# KiCad board st251_20629.kicad_pcb (continued)
## Routing (per net, layer and track width the routed paths; a pad name or vN(x,y) marks a point on that pad's centre or on a via; arc(x,y) is an arc through that point) (continued)
~{INDEX_SYNC}: length 98.9
  Top w0.254: v1(48.13,30.35) 49.66,30.35 56.58,37.27 57.09,37.27 ; 57.09,37.27 57.15,37.21 v1(57.15,37.08) ; 57.09,37.27 57.53,37.72 69.72,37.72 70.74,38.74 70.74,40.89 73.03,43.18 84.07,43.18 84.96,42.29 88.26,42.29 88.77,42.8 v1(92.33,42.8) ; v1(42.8,29.21) 42.54,29.46 35.94,29.46 35.67,29.2 31.86,29.2 31.11,28.45 31.11,25.27 ; v1(94.87,34.8) 94.87,34.67 96.01,33.53 2F1.4 ; 2D1.10 58.55,26.92 57.66,26.04 v1(56.51,26.04)
  Bottom w0.254: v1(94.87,34.8) 94.74,34.93 94.74,40.39 v1(92.33,42.8) ; v1(57.15,37.08) 56.9,36.83 56.9,26.92 56.51,26.54 v1(56.51,26.04) ; v1(48.13,30.35) 46.99,29.21 v1(42.8,29.21)
~{RESET}: length 235.6
  Top w0.254: v1(21.21,24.13) 24.77,20.57 33.27,20.57 34.29,21.59 41.91,21.59 42.8,22.48 45.85,22.48 49.02,25.65 v1(51.05,25.65) ; v1(20.32,52.96) 20.32,50.93 19.56,50.17 13.08,50.17 11.81,51.44 11.81,52.83 11.3,53.34 3A1.21 ; v1(79.38,141.48) 80.01,142.11 80.01,145.8 80.52,146.3 8F1.5 ; 2B1.35 28.57,32 27.94,32.64 23.88,32.64 21.97,34.54 v1(20.45,34.54) ; 6C1.1 v1(61.6,117.86) 60.58,116.84 55.12,116.84 53.21,114.94 v1(49.78,114.94)
  Bottom w0.254: v1(79.38,141.48) 76.07,141.48 61.85,127.25 61.85,118.75 61.6,118.49 v1(61.6,117.86) ; v1(21.21,24.13) 20.45,24.89 v1(20.45,34.54) 20.45,52.83 v1(20.32,52.96) ; v1(49.78,114.94) 50.29,114.43 50.29,105.16 52.2,103.25 52.2,82.17 50.67,80.65 50.67,63.5 52.2,61.98 52.2,44.58 54.1,42.67 54.1,41.02 53.1,40.02 53.1,27.7 v1(51.05,25.65)
~{STEP}: length 122.5
  Top w0.254: v1(58.6,40.87) 58.37,40.64 47.75,40.64 v1(47.12,41.28) ; 2B1.33 34.54,34.54 35.18,33.91 v1(40.26,33.91) ; v1(64.64,49.66) v1(69.47,49.66)
  Bottom w0.254: v1(69.47,49.66) 78.23,40.89 78.23,37.72 83.06,32.89 83.06,26.29 82.42,25.65 79.88,25.65 79.5,25.27 79.5,19.05 79.88,18.67 79.88,15.24 80.9,14.22 80.9,12.7 78.61,10.41 77.72,10.41 75.44,8.13 J1.24 ; v1(40.26,33.91) 41.53,32.64 44.32,32.64 47.12,35.43 v1(47.12,41.28) ; v1(58.6,40.87) 58.76,41.04 58.76,54.19 60.45,55.88 60.45,53.98 64.64,49.78 v1(64.64,49.66)
~{WRT_FAULT}: length 58.5
  Top w0.254: 1E1.4 74.42,24.13 v1(74.17,24.38) ; v1(68.07,35.18) 66.8,36.45 60.32,36.45 59.05,35.18 56.51,35.18 50.16,28.83 48.77,28.83 47.88,27.94 47.88,26.29 45.34,23.75 41.53,23.75 v1(41.02,23.24) 40,24.26 2B1.3
  Bottom w0.254: R19.1 74.8,19.37 74.8,23.75 v1(74.17,24.38) 69.34,29.21 69.34,33.91 v1(68.07,35.18)
Net-(1D1-Pad12): length 41.8
  Top w0.254: 73.15,21.39 1E1.5 73.15,22.99 72.64,23.5 v1(72.64,24) ; v1(73.15,18.54) 74.04,18.54 74.42,18.16 1E1.11 ; 1D1.12 63.75,17.78 62.48,19.05 v1(62.36,19.05)
  Bottom w0.254: v1(62.36,19.05) 61.98,18.67 61.47,18.67 60.71,17.91 59.82,17.91 59.18,17.27 59.18,14.48 59.94,13.72 63.37,13.72 65.15,11.94 67.06,11.94 67.82,12.7 67.82,14.48 70.48,17.15 70.48,18.92 71.13,19.57 72.12,19.57 v1(73.15,18.54) 73.66,19.05 73.66,22.48 72.64,23.5 v1(72.64,24)
Net-(1E1-Pad1): length 11.5
  Top w0.254: 78.23,20.32 77.85,20.32 75.69,18.16 1E1.12 ; 78.23,20.32 1E1.1 ; 78.23,20.32 v1(80.52,20.32)
  Bottom w0.254: R59.1 81.66,22.16 81.66,21.08 80.9,20.32 v1(80.52,20.32)
Net-(1E1-Pad6): length 207.8
  Top w0.254: v1(67.18,42.42) 67.56,42.42 70.99,45.85 93.85,45.85 94.62,46.61 94.62,53.09 v1(94.11,53.59) ; v1(84.33,146.43) 84.46,146.3 87.5,146.3 87.76,146.05 89.28,146.05 89.53,146.3 89.53,147.57 89.03,148.08 89.03,155.83 88.26,156.59 85.47,156.59 84.33,157.73 84.33,165.1 R78.2 ; v1(68.96,25.15) 70.36,23.75 71.37,23.75 71.88,23.24 1E1.6
  Bottom w0.254: v1(84.33,146.43) 84.33,145.92 83.95,145.54 83.95,143.13 82.68,141.86 82.68,134.37 77.22,128.91 77.22,116.84 69.98,109.6 69.98,103.63 65.53,99.19 65.53,94.87 66.04,94.36 76.2,94.36 84.46,86.11 84.46,76.58 87.38,73.66 87.38,59.82 93.6,53.59 v1(94.11,53.59) ; v1(67.18,42.42) 67.18,38.23 66.17,37.21 66.17,34.54 67.82,32.89 67.82,26.29 v1(68.96,25.15)
Net-(1F1B-C): length 102.6
  Top w0.254: v1(95.88,18.67) 96.01,18.54 1F1.11 ; v1(84.84,47.88) 69.09,47.88 64.64,43.43 59.44,43.43 58.55,44.32 v1(55.12,44.32)
  Bottom w0.254: J7.11 50.93,19.56 50.93,24 51.94,25.02 52.83,25.02 53.59,25.78 53.59,39.24 55.12,40.77 v1(55.12,44.32) ; R70.1 94.68,16.96 95.88,18.16 v1(95.88,18.67) 95.88,25.27 94.74,26.42 92.07,26.42 89.03,29.46 89.03,38.99 87.76,40.26 87.76,42.16 86.74,43.18 86.74,45.85 84.84,47.75 v1(84.84,47.88)
Net-(1F1B-D): length 9
  Top w0.254: v1(97.54,18.54) 97.28,18.29 1F1.12
  Bottom w0.254: R71.1 94.68,13.65 96.65,15.62 96.65,17.65 v1(97.54,18.54)
Net-(1F1B-~{Q}): length 43.7
  Top w0.254: v1(85.98,40.77) 85.72,40.77 83.95,42.55 74.17,42.55 JP1.3 ; 1F1.8 v1(92.2,18.42)
  Bottom w0.254: v1(92.2,18.42) 89.41,18.42 88.52,19.3 88.52,26.29 87.5,27.31 87.5,37.34 85.98,38.86 v1(85.98,40.77)
Net-(1F1B-~{R}): length 35.3
  Top w0.254: v1(90.3,30.73) 89.66,30.1 80.14,30.1 79.05,29.02 76.45,29.02 75.82,28.38 2E1.12 ; v1(98.81,18.8) 98.55,18.54 1F1.13
  Bottom w0.254: v1(98.81,18.8) 96.65,20.96 96.65,25.27 94.74,27.18 91.96,27.18 90.3,28.84 v1(90.3,30.73)
Net-(1F1B-~{S}): length 39.6
  Top w0.254: v1(80.39,24.38) 79.25,24.38 78.36,23.5 77.34,23.5 76.96,23.11 76.96,20.57 76.45,20.07 72.77,20.07 v1(72.64,20.19) ; 1F1.10 94.74,15.75 94.49,15.49 83.57,15.49 v1(83.31,15.24)
  Bottom w0.254: v1(72.64,20.19) 72.26,20.19 70.61,21.84 69.92,21.84 R58.1 ; v1(80.39,24.38) 82.04,24.38 83.44,22.99 83.44,15.37 v1(83.31,15.24)
Net-(2B1-BIAS): length 3.9
  Top w0.254: 2B1.2 38.73,23.12 v1(38.73,23.11)
  Bottom w0.254: v1(38.73,23.11) 39.31,22.54 R45.2
Net-(2E1-Pad2): length 10.2
  Top w0.254: 2E1.2 v1(77.09,34.54)
  Top w0.508: 2E1.3 2E1.2
  Bottom w0.254: R12.1 75.25,29.14 76.71,30.61 76.71,34.16 v1(77.09,34.54)
Net-(2E1-Pad5): length 125.8
  Top w0.254: 2E1.5 v1(73.28,30.99) ; v1(28.19,90.42) 32,94.23 42.42,94.23 44.45,96.27 v1(46.1,96.27) ; v1(44.7,57.4) 47.5,54.61 v1(61.72,54.61)
  Bottom w0.254: C5.1 24.32,103.89 R8.1 24.7,103.19 27.81,100.08 27.81,91.31 28.19,90.93 v1(28.19,90.42) ; v1(46.1,96.27) 44.58,94.74 44.58,57.4 v1(44.7,57.4) ; v1(61.72,54.61) 61.72,54.23 66.17,49.78 66.17,49.15 73.28,42.04 v1(73.28,30.99)
Net-(2F1A-C): length 9.3
  Top w0.254: 2F1.3 97.28,31.24 96.65,30.61 92.96,30.61 92.2,29.84 2F1.8
Net-(2F1B-C): length 219
  Top w0.254: 124.02,167 122.68,167 122.05,166.37 122.05,164.85 120.9,163.7 120.9,162.56 120.4,162.05 120.4,161.42 119.89,160.91 119.76,160.91 118.11,159.26 116.71,159.26 113.92,156.46 113.92,154.56 111.89,152.53 v1(110.87,152.53) ; v1(95.12,29.34) 96.01,28.45 2F1.11 96.01,26.92 95.38,26.29 90.81,26.29 v1(90.42,26.67) ; v1(85.85,89.54) 84.07,91.31 84.07,98.81 82.68,100.2 82.68,103.38 78.23,107.82 78.23,112.78 79.63,114.17 79.63,115.57 80.65,116.59 80.65,117.98 81.03,118.36 81.03,123.67 79.25,125.45 79.25,132.33 78.61,132.97 78.61,138.68 77.22,140.08 77.22,143.26 78.23,144.27 78.23,152.02 80.01,153.8 v1(85.09,153.8) ; v1(85.22,50.93) 90.93,50.93 92.46,52.45 92.46,54.61 v1(93.34,55.5)
  Bottom w0.254: v1(93.34,55.5) 88.26,60.58 88.26,74.04 85.85,76.45 v1(85.85,89.54) ; v1(85.09,153.8) 87.63,151.26 109.6,151.26 v1(110.87,152.53) ; v1(90.42,26.67) 90.12,26.67 88.98,25.53 88.98,22.15 90.23,20.89 R15.1 ; v1(85.22,50.93) 86.36,49.78 86.36,47.62 87.38,46.61 87.38,45.34 89.03,43.69 89.03,41.53 90.68,39.88 90.68,33.53 92.33,31.88 92.33,28.83 92.71,28.45 94.23,28.45 v1(95.12,29.34)
Net-(2F1B-~{R}): length 7.8
  Top w0.254: 2F1.13 98.55,26.29 97.41,25.15 v1(94.87,25.15)
  Bottom w0.254: v1(94.87,25.15) 93.92,25.15 R42.1
Net-(2F1B-~{S}): length 196.7
  Top w0.254: R14.1 103.19,117.28 v1(103.63,116.84) ; v1(102.36,101.35) 102.36,98.04 97.54,93.22 v1(97.54,89.92) ; v1(96.65,54.23) 96.01,54.86 93.98,54.86 93.22,54.1 93.22,52.2 94.11,51.31 94.11,47.12 93.73,46.74 v1(89.03,46.74) ; v1(93.34,29.34) 93.85,29.34 94.74,28.45 2F1.10 ; 10J1.1 124.02,170.37 v1(123.95,170.43) ; v1(117.6,141.35) 117.6,137.03 117.09,136.53 112.27,132.08 111.71,131.52 arc(110.22,130.53) v1(108.46,130.18)
  Bottom w0.254: v1(97.54,89.92) 96.01,88.39 96.01,82.8 97.41,81.41 97.41,74.8 95.12,72.52 95.12,56.64 96.65,55.12 v1(96.65,54.23) ; v1(117.6,141.35) 117.47,141.48 117.47,148.08 118.49,149.1 119.62,149.1 122.43,151.9 122.43,168.02 123.95,169.55 v1(123.95,170.43) ; v1(93.34,29.34) 93.34,32.39 92.58,33.15 92.58,40.01 90.3,42.29 90.3,45.09 89.03,46.36 v1(89.03,46.74) ; 104.01,110.36 104.01,110.24 107.7,110.24 108.2,110.74 108.2,114.17 107.95,114.43 107.95,115.95 108.46,116.46 113.79,116.46 115.06,117.73 115.06,125.86 113.28,127.64 113.28,130.3 112.78,130.81 109.09,130.81 v1(108.46,130.18) ; 104.01,110.36 104.01,107.06 102.36,105.41 v1(102.36,101.35) ; 104.01,110.36 104.01,111.89 103.25,112.65 103.25,115.95 103.63,116.33 v1(103.63,116.84)
Net-(3A1-PB4): length 16.8
  Top w0.254: v1(19.05,44.96) 20.45,44.96 21.21,44.2 3A1.37
  Bottom w0.254: TP7.1 v1(19.05,44.96)
Net-(3A1-PB7): length 13.2
  Top w0.254: 3A1.34 v1(17.4,44.96)
  Bottom w0.254: v1(17.4,44.96) 17.4,33.91
Net-(3A1-XTLI): length 10.9
  Top w0.254: Y2.1 31.46,54.01 30.48,54.99 30.48,56.19 30.48,54.74 29.08,53.34 3A1.3
Net-(3A1-XTLO): length 28.2
  Top w0.254: 3A1.2 27.3,52.07 v1(27.56,51.82) ; Y2.2 31.35,49.13 30.48,48.26 30.48,47.69 30.48,48.9 ; Y2.2 33.13,48.64 35.63,48.64 C31.2 ; Y2.2 32.4,48.9 28.57,48.9 v1(27.43,47.75) ; 30.8,47.62 Y1.2
  Bottom w0.254: 32.51,49.01 Y2.2 ; v1(27.56,51.82) 27.43,51.69 v1(27.43,47.75) 31.05,47.75 R82.2 R80.1
Net-(3A1-~{NMI}): length 10.6
  Top w0.254: 3A1.25 11.05,48.26 v1(11.81,47.5)
  Bottom w0.254: R44.2 7.11,44.7 9.91,47.5 v1(11.81,47.5)
Net-(4A1-~{G}VPP): length 106.5
  Top w0.254: 25.65,85.34 27.05,85.34 28.45,83.95 28.45,82.42 29.08,81.79 31.24,81.79 34.8,85.34 49.78,85.34 50.42,84.71 v1(50.42,84.07) ; v1(52.45,42.16) 52.71,42.16 53.47,42.93 57.53,42.93 58.29,42.16 59.31,42.16 60.71,40.77 67.94,40.77 v1(68.33,41.15) ; 2E1.8 69.98,27.69 69.85,27.56 v1(69.09,27.56)
  Bottom w0.254: v1(68.33,41.15) 68.33,37.72 67.06,36.45 67.06,34.54 68.71,32.89 68.71,27.94 v1(69.09,27.56) ; v1(52.45,42.16) 51.05,43.56 51.05,61.59 50.04,62.61 50.04,83.69 v1(50.42,84.07)
Net-(4H1-12V): length 42.5
  Top w0.254: C44.1 114.74,115.13 113.03,116.84 111.25,116.84 110.24,117.86 110.24,122.17 114.55,126.49 114.55,129.41 117.22,132.08 117.47,132.08 118.11,132.72 120.27,132.72 120.9,133.35 CR3.1
  Top w0.508: C44.1 114.05,112.84 114.05,109.6 113.16,108.71 113.16,103.63 115.34,101.45 4H1.1
Net-(4H1-CFB): length 71.8
  Top w0.254: v1(114.17,104.39) 114.55,104.39 116.25,106.09 C17.2
  Bottom w0.254: 4H1.12 110.74,89.43 110.74,92.58 109.35,93.98 109.35,100.46 107.44,102.36 107.44,103.89 ; v1(114.17,104.39) 113.66,103.89 107.44,103.89 ; 107.44,103.89 107.44,106.81 108.08,107.44 118.36,107.44 120.01,109.09 127.13,109.09 128.14,110.11 128.14,118.11 128.97,118.94 R17.2 131.44,122.11 R16.1
  Bottom w1.016: 4H1.12 4H1.11
Net-(4H1-COMP): length 24.3
  Top w0.254: R18.2 111.25,111.82 111.25,108.59 111.62,108.22 111.62,105.14 v1(109.09,102.62)
  Bottom w0.254: 4H1.7 111.51,93.73 110.11,95.12 110.11,101.6 v1(109.09,102.62)
Net-(4H1-SN): length 15.3
  Top w0.254: v1(116.46,104.14) 119.51,107.19 C28.1
  Bottom w0.254: v1(116.46,104.14) 117.09,103.51 117.09,100.46 116.71,100.08 114.81,100.08 114.17,99.44 114.17,97.54 115.34,96.37 4H1.5
Net-(4H1-VC+): length 102.1
  Top w0.254: 4H1.8 108.97,92.46 v1(108.84,92.58)
  Bottom w0.254: v1(108.84,92.58) 108.46,92.96 108.46,100.33 106.93,101.85 106.93,107.06 107.95,108.08 117.73,108.08 119.51,109.86 127,109.86 127.63,110.49 127.63,115.82 125.73,117.73 125.22,117.73 124.59,118.36 124.59,120.27 125.6,122.17 128.65,122.17 129.16,122.68 129.16,124.84 130.43,126.11 130.43,129.54 129.67,130.3 129.67,131.06 129.16,131.57 127.76,131.57 127.63,131.7 126.24,131.7 125.54,132.4 R36.1 125.54,133.54 119.7,139.38 R46.1 R37.1 119.7,143.83 122.05,146.18 122.05,148.21 125.6,151.77 125.6,152.65 126.24,153.29 126.24,155.19 125.54,155.89 R20.1
Net-(6A1A-VCTAP): length 79.5
  Top w0.254: v1(25.02,119) 24.38,119 24.13,119.25 6A1.43 ; v1(31.88,116.46) 35.37,116.46 40.32,121.41 42.8,121.41 v1(43.94,122.56)
  Bottom w0.254: v1(25.02,119) 25.91,118.11 27.27,118.11 28.41,116.97 31.37,116.97 v1(31.88,116.46) ; v1(43.94,122.56) 43.94,122.43 44.96,121.41 45.97,121.41 54.23,129.67 54.23,139.95 64.01,149.73 64.01,150.62 64.77,151.38 65.53,151.38 65.91,151.77 65.91,157.61 67.06,158.75 67.06,161.04 68.65,162.63 R9.1
Net-(6A1A-WDATA_IN+): length 135.4
  Top w0.254: v1(2.79,123.7) 3.56,123.7 4.19,123.06 6.86,123.06 ; v1(10.92,23.11) 8.38,25.65 v1(5.97,25.65) ; v1(11.43,10.41) 11.3,10.29 J2.13
  Bottom w0.254: v1(2.79,123.7) 1.78,122.68 1.78,101.47 R4.2 2.16,99.76 5.84,96.08 5.84,61.72 4.57,60.45 4.57,54.48 2.41,52.32 2.41,47.37 3.68,46.1 3.68,39.37 9.65,33.4 9.65,28.32 6.98,25.65 v1(5.97,25.65) ; v1(10.92,23.11) 10.92,10.92 v1(11.43,10.41)
Net-(6A1A-WDATA_IN-): length 139.9
  Top w0.254: 6A1.23 4.95,121.79 4.32,122.43 v1(3.56,122.43) ; v1(2.67,103.12) v1(5.33,103.12) ; v1(12.32,21.21) 11.18,21.21 8.76,23.62 v1(5.97,23.62)
  Bottom w0.254: v1(5.33,103.12) 5.33,101.34 R4.1 ; J2.14 11.3,8.64 12.32,9.65 v1(12.32,21.21) ; v1(3.56,122.43) 2.41,121.29 2.41,103.38 v1(2.67,103.12) 3.3,102.49 3.3,99.44 6.48,96.27 6.48,61.59 5.21,60.33 5.21,53.98 3.05,51.82 3.05,47.88 4.32,46.61 4.32,39.62 10.29,33.66 10.29,27.31 6.6,23.62 v1(5.97,23.62)
Net-(6A1A-WRITE_CUR): length 40.6
  Top w0.254: 6A1.16 9.78,131.06 11.68,132.97 v1(11.68,133.6)
  Bottom w0.254: TP8.2 46.47,138.3 v1(45.47,138.3) 44.58,138.3 44,137.98 arc(37.7,135.38) 30.94,134.44 12.52,134.44 v1(11.68,133.6)
Net-(6A1A-~{WRT_FAULT}): length 14.8
  Top w0.254: 6A1.39 21.21,112.27 v1(21.08,112.14)
  Bottom w0.254: v1(21.08,112.14) 21.08,109.86 21.72,109.22 21.72,106.93 23.24,105.41 26.29,105.41 27.62,104.07 R8.2
Net-(6A1B-+ON): length 7.3
  Top w0.254: 6A1.4 21.72,125.6 20.19,124.08 v1(18.8,124.08)
  Bottom w0.254: v1(18.8,124.08) 18.92,124.08 20.38,125.54 R25.1
Net-(6A1B--ON): length 10.8
  Top w0.254: 6A1.3 24,124.33 v1(25.65,125.98)
  Bottom w0.254: L8.1 23.29,121.21 24.89,122.81 24.89,125.22 v1(25.65,125.98)
Net-(6A1B-DI+): length 20.8
  Top w0.254: 6A1.1 23.49,121.79 24.77,123.06 25.02,123.06 25.91,122.17 30.73,122.17 32,123.44 TP1.1
  Bottom w0.254: C14.1 28.89,128.78 R24.1 30.29,127.38 31.45,127.38 L6.2 31.88,126.95 31.88,124.21 TP1.1
Net-(6A1B-DI-): length 18.5
  Top w0.254: TP3.1 26.54,123.7 24.38,123.7 23.75,123.06 22.86,123.06
  Bottom w0.254: L7.2 27.56,132.84 26.99,132.27 C14.2 26.99,130.62 26.1,129.73 R24.2 26.54,128.2 26.54,125.22 26.92,124.84 TP3.1
Net-(6A1B-DO+): length 26.8
  Top w0.254: 6A1.8 19.94,130.81 20.45,131.32 21.97,131.32 23.11,130.18 v1(23.11,129.79)
  Bottom w0.254: R26.2 6.92,131.51 9.46,128.97 C22.1 11.36,130.81 14.48,130.81 14.86,130.43 14.86,128.65 15.24,128.27 19.75,128.27 C21.1 22.86,129.54 v1(23.11,129.79)
Net-(6A1B-DO-): length 9.6
  Top w0.254: 6A1.9 v1(18.67,132.33)
  Bottom w0.254: R28.2 v1(18.67,132.33) R27.1 16.32,130.18 C24.1
Net-(6A1C-+C1): length 45.7
  Top w0.254: 6A1.10 17.4,127.38 17.91,126.87 v1(17.91,125.98)
  Bottom w0.254: C23.1 22.73,111.19 22.73,112.78 22.1,113.41 20.19,113.41 19.94,113.67 19.94,116.46 19.18,117.22 19.18,119.51 17.91,120.78 17.65,120.78 ; C22.2 7.11,128.46 7.11,126.05 R30.1 7.05,122.17 R87.1 7.48,122.05 12.04,117.49 16.52,117.49 17.27,118.24 17.27,119.76 17.65,120.14 17.65,125.22 17.91,125.48 v1(17.91,125.98)
Net-(6A1C-+C2): length 23.1
  Top w0.254: 6A1.12 14.86,126.75 16.13,125.48 16.13,122.81 v1(14.86,121.54)
  Bottom w0.254: R87.2 9.84,120.46 12.32,117.98 14.6,117.98 15.93,119.3 L10.1 15.93,120.47 v1(14.86,121.54) 15.68,122.36 C67.1
Net-(6A1C--C1): length 23.9
  Top w0.254: 6A1.11 16.13,128.02 16.76,127.38 16.76,122.17 18.03,120.9 18.03,118.49 v1(18.29,118.24)
  Bottom w0.254: R29.1 20.45,108.14 20.45,109.6 20.13,109.92 C23.2 20.19,110.55 20.19,112.4 19.3,113.28 19.3,116.33 18.29,117.35 v1(18.29,118.24)
Net-(6A1C--C2): length 14.7
  Top w0.254: v1(11.68,123.7) 14.6,123.7 14.86,123.95 v1(14.86,124.71) 13.59,125.98 6A1.13
  Bottom w0.254: R31.1 14.86,125.41 v1(14.86,124.71) ; R30.2 9.97,125.41 v1(11.68,123.7)
Net-(6A1C-OA): length 13.7
  Top w0.254: v1(18.29,110.62) 13.72,110.62 11.05,113.28 6A1.31
  Bottom w0.254: R34.1 17.97,110.94 v1(18.29,110.62)
Net-(6A1C-TMG1): length 11.8
  Top w0.254: 6A1.35 16.13,112.01 v1(16.38,111.76)
  Bottom w0.254: v1(16.38,111.76) 15.49,111.76 14.85,111.12 14.85,108.13 C34.2 11.5,107.06 R51.1
Net-(6A1C-TMG2): length 24.1
  Top w0.254: 6A1.34 14.86,116.21 v1(15.11,116.46)
  Bottom w0.254: 15.11,116.21 v1(15.11,116.46) 15.11,115.44 12.13,112.46 11.37,112.46 9.65,110.74 9.65,103.7 R53.1 10.73,102.97 12.42,104.65 C38.1
Net-(6A1C-TMG3): length 8.9
  Top w0.254: 6A1.33 13.59,112.65 13.97,112.27 v1(13.97,111.76)
  Bottom w0.254: R32.1 10.73,110.17 12.32,111.76 v1(13.97,111.76) 13.78,111.57 C25.2
Net-(6A1C-TMG4): length 25.4
  Top w0.254: v1(12.57,116.59) 12.32,116.33 6A1.32
  Bottom w0.254: v1(12.57,116.59) 12.57,114.17 11.81,113.41 11.3,113.41 9.02,111.12 9.02,101.98 10.61,100.39 12.19,100.39 C26.2
Net-(6C1-Q4): length 21
  Top w0.254: 6C1.12 51.43,111.25 51.69,111.51 54.23,111.51 56.77,114.05 v1(57.28,114.05) ; 59.05,124.46 59.05,123.7 60.32,122.43 v1(60.71,122.43)
  Bottom w0.254: v1(57.28,114.05) 57.28,118.49 60.71,121.92 v1(60.71,122.43)
Net-(6C1-Q7): length 23.3
  Top w0.254: 6C1.19 60.32,108.71 v1(59.31,107.7) ; v1(56.01,122.3) 55.18,122.3 53.98,123.5 53.98,124.46
  Bottom w0.254: v1(59.31,107.7) 54.86,112.14 54.86,121.54 55.63,122.3 v1(56.01,122.3)
Net-(7C1-~{RETRACT}): length 3.7
  Top w0.254: 7C1.3 59.05,135 57.6,136.46 R40.1
Net-(7E1-Pad10): length 2.5
  Top w0.254: 7E1.12 7E1.10
Net-(7F1-CT): length 23
  Top w0.254: 90.42,112.14 90.42,115.7 89.92,116.21 88.65,116.21 88.39,115.95 87,115.95 86.36,116.59 v1(84.2,116.59) ; v1(84.2,123.83) 83.19,124.84 7F1.8
  Top w0.508: 90.42,112.14 93.09,112.14 93.73,111.51 C43.1
  Bottom w0.254: v1(84.2,123.83) v1(84.2,116.59)
Net-(7F1-DRV): length 30.5
  Top w0.254: 7F1.7 83.95,126.11 85.22,127.38 v1(85.22,128.65)
  Bottom w0.254: R66.1 101.41,115 98.55,117.86 98.55,120.9 98.17,121.29 94.11,121.29 93.47,121.92 93.47,126.11 91.31,128.27 85.6,128.27 v1(85.22,128.65)
Net-(7F1-VC): length 22
  Top w0.254: 82.93,129.92 85.85,129.92 87.76,128.02 CR6.1 ; CR6.1 88.55,121.89 90.17,120.27 v1(90.17,117.35) ; CR6.1 85.44,121.89 84.07,120.52
Net-(7F1-VCC): length 93.8
  Top w0.254: Q5.3 Q5.4 ; 83.49,115.12 83.49,115.78 82.42,116.84 v1(82.42,117.35) ; v1(82.42,117.35) 82.96,117.89 CR6.2 ; v1(82.42,117.35) 82.17,117.6 82.17,123.83 80.26,125.73 80.26,127.25 81.01,128 81.78,128 82.42,128.65 7F1.5
  Top w0.762: C19.1 106.23,119.57 105.41,118.75 105.41,116.59 102.99,114.17 Q5.3 ; 5H1.6 103.26,102.63 5H1.2
  Bottom w0.254: 99.31,106.55 99.31,103.76 5H1.2 ; 99.31,106.55 96.27,106.55 94.11,104.39 94.11,101.73 92.71,100.33 91.19,100.33 88.14,103.38 82.3,103.38 81.15,104.52 81.15,108.59 82.04,109.47 82.04,116.97 v1(82.42,117.35) ; 99.31,106.55 100.46,106.55 101.6,107.7 101.6,109.22 99.19,111.63 Q5.4
Net-(7F1-VREF): length 5.8
  Top w0.254: R41.2 94.55,126.11 7F1.10 91.86,126.11 90.59,124.84 v1(89.66,124.84)
Net-(8F1-COMP): length 50.5
  Top w0.254: 8F1.10 87.76,139.95 v1(88.01,139.7)
  Bottom w0.254: C41.1 109.6,118.24 108.08,119.76 108.08,121.67 107.82,121.92 101.09,121.92 100.2,122.81 98.93,122.81 98.04,121.92 94.36,121.92 94.11,122.17 94.11,126.75 91.95,128.91 88.01,128.91 86.11,130.81 86.11,139.06 86.74,139.7 v1(88.01,139.7)
Net-(8F1-DAC_SET): length 11.1
  Top w0.254: v1(88.26,142.88) 87.25,141.86 83.44,141.86 82.8,142.49 8F1.8
  Bottom w0.254: R57.2 90.3,140.59 88.26,142.62 v1(88.26,142.88)
Net-(8F1-DRV): length 60.9
  Top w0.254: 8F1.9 v1(88.26,141.22)
  Bottom w0.254: v1(88.26,141.22) 87.38,142.11 87.38,145.03 87.76,145.42 87.76,147.7 88.01,147.96 90.04,147.96 91.31,146.69 93.98,146.69 94.62,147.32 97.79,147.32 99.31,145.8 99.31,137.41 103,133.73 115.19,133.73 115.7,133.22 115.7,129.29 116.97,128.02 R79.2
Net-(8F1-FB): length 49.5
  Top w0.254: 8F1.11 86.74,138.68 v1(87,138.43)
  Bottom w0.254: v1(87,138.43) 86.87,138.3 86.87,131.95 89.28,129.54 92.58,129.54 94.74,127.38 94.74,122.81 95,122.56 97.54,122.56 98.55,123.57 101.09,123.57 102.11,122.56 108.33,122.56 110.36,124.59 R60.2 110.68,125.16 109.73,126.11 108.2,126.11 107.12,127.19 R52.2
Net-(8F1-RING_SET): length 29.5
  Top w0.254: 8F1.12 87.63,137.41 v1(88.26,138.05)
  Bottom w0.254: 95.84,131.57 95.84,132.64 93.92,134.55 R55.1 93.92,136.59 94.49,137.16 94.49,142.31 R56.1 93.28,143 91.82,141.54 91.82,138.81 91.06,138.05 v1(88.26,138.05)
Net-(8F1-VREF): length 40.6
  Top w0.254: R41.1 97.54,125.66 97.54,123.83 v1(97.28,123.57) ; 8F1.7 83.57,143.76 84.84,142.49 85.98,142.49 88.65,145.16 v1(88.76,145.16)
  Bottom w0.254: v1(88.76,145.16) 88.76,145.05 89.85,143.95 90.49,143.95 91.57,145.03 94.49,145.03 94.74,144.78 94.74,143.26 95.12,142.88 95.12,135.13 97.28,132.97 v1(97.28,123.57)
Net-(9J1-OUT1): length 8
  Top w0.254: 9J1.11 123.7,148.72 v1(123.95,148.97)
  Bottom w0.254: R37.2 122.62,146.37 123.95,147.7 v1(123.95,148.97)
Net-(9J1-OUT2): length 12.3
  Top w0.254: v1(125.6,148.97) 126.24,148.34 9J1.13
  Bottom w0.254: R46.2 122.62,140.65 124.08,142.11 124.08,146.56 125.6,148.08 v1(125.6,148.97)
Net-(9J1-VCC): length 30.9
  Top w0.254: v1(126.62,166.5) 127.11,166.99 C63.1 ; v1(128.21,149.03) 127.51,148.34 9J1.14
  Bottom w0.254: 128.27,148.84 128.27,144.71 R72.1 ; 128.27,148.84 128.27,148.97 v1(128.21,149.03) ; 128.27,148.84 128.14,148.97 v1(128.21,149.03) ; v1(128.21,149.03) 128.4,149.23 128.4,152.4 126.75,154.05 126.75,159 127.25,159.51 127.25,165.61 126.62,166.24 v1(126.62,166.5)
Net-(10E1-5V): length 12.1
  Top w0.508: 10E1.18 74.29,163.19 74.93,162.56 v1(76.33,162.56)
  Bottom w0.508: C1.1 75.95,164.54 75.95,162.94 v1(76.33,162.56)
  Bottom w0.762: L11.1 79.83,168.19 77,165.35 76.15,165.35 C1.1
Net-(10E1-IWR1): length 6.6
  Top w0.254: 10E1.19 71.88,164.47 70.36,162.94 v1(70.36,162.81)
  Bottom w0.254: R2.1 68.52,160.21 70.36,162.05 v1(70.36,162.81)
Net-(10E1-IWR2): length 7.1
  Top w0.254: 10E1.14 71.63,158.12 v1(71.25,157.73)
  Bottom w0.254: R1.1 74.36,158.94 73.15,157.73 v1(71.25,157.73)
Net-(10E1-VCTAP): length 8.3
  Top w0.254: 10E1.1 63.42,167.85 v1(63.37,167.89)
  Bottom w0.254: v1(63.37,167.89) 63.63,167.89 64.52,167 65.6,167 C3.2 65.66,166.56 65.66,163.76 R9.2
Net-(10E1-VHS): length 84.1
  Top w0.254: v1(45.97,122.68) 43.94,120.65 40.51,120.65 34.8,114.94 32.89,114.94 v1(32,114.05) ; 22.86,117.98 24.38,117.98 v1(24.89,117.48) ; 10E1.20 70.99,165.74 69.34,164.08 69.34,160.02 68.45,159.13 68.45,156.4 62.99,150.94 v1(62.99,150.88)
  Bottom w0.254: v1(32,114.05) 32,114.94 30.61,116.33 28.4,116.33 27.26,117.48 v1(24.89,117.48) ; v1(62.99,150.88) 62.99,149.61 53.47,140.08 53.47,130.05 46.1,122.68 v1(45.97,122.68)
Net-(10E1-WRT_FAULT_IN): length 180.6
  Top w0.254: v1(74.17,150.88) 71.37,153.68 71.37,154.93 72.01,155.58 10E1.12 ; 1E1.3 75.69,23.37 v1(76.07,23.75) ; v1(83.69,41.4) 83.19,41.91 75.95,41.91 74.8,40.77 74.8,39.12 73.53,37.85 JP1.2
  Bottom w0.254: v1(83.69,41.4) 83.69,42.8 81.28,45.21 81.28,49.91 79.25,51.94 74.55,51.94 71.88,54.61 71.88,57.4 71.25,58.04 66.29,58.04 65.66,58.67 63.75,58.67 62.48,59.94 61.09,59.94 55.5,65.53 55.5,109.6 54.1,111 54.1,124.46 58.04,128.4 58.04,138.18 63.25,143.38 67.18,143.38 74.17,150.37 v1(74.17,150.88) ; JP1.2 70.23,36.07 70.23,33.4 71.88,31.75 71.88,28.19 76.07,24 v1(76.07,23.75)
Net-(10J1B-+): length 123.1
  Top w0.254: v1(112.52,146.43) 112.52,146.81 113.66,147.96 113.66,150.24 116.33,152.91 116.33,155.19 117.98,156.85 118.87,156.85 120.52,158.5 121.41,158.5 123.57,160.66 10J1.7 ; v1(86.11,96.39) 85.85,96.65 85.85,105.54 v1(84.96,106.43)
  Bottom w0.254: v1(112.52,146.43) 112.27,146.43 109.98,148.72 88.01,148.72 87.25,147.96 87.25,147.45 87.12,147.32 87.12,145.67 86.74,145.29 86.74,141.99 87,141.73 87,141.1 85.6,139.7 85.6,130.94 84.33,129.67 84.33,127.25 86.49,125.1 86.49,107.06 85.85,106.43 v1(84.96,106.43) ; v1(86.11,96.39) 86.11,96.27 90.99,91.38 R39.2
Net-(10J1B--): length 127
  Top w0.254: v1(112.14,148.08) 112.27,148.08 113.16,148.97 113.16,150.5 115.82,153.16 115.82,155.45 117.86,157.48 118.75,157.48 120.4,159.13 121.16,159.13 122.17,160.15 122.17,161.16 122.94,161.93 10J1.6 ; v1(86.23,94.87) 86.36,94.87 87.25,95.76 87.25,96.39 86.36,97.28 86.36,106.93 v1(85.6,107.7)
  Bottom w0.254: v1(85.6,107.7) 85.98,108.08 85.98,124.59 83.69,126.87 83.69,130.05 84.96,131.32 84.96,140.08 86.28,141.4 86.28,148.26 87.38,149.35 110.24,149.35 111.63,147.96 112.01,147.96 v1(112.14,148.08) ; v1(86.23,94.87) 88.52,92.58 88.52,77.09 91.12,74.49 R38.2
Net-(10J1D-+): length 12.1
  Top w0.254: v1(125.6,158.62) 125.6,160.27 127.25,161.93 10J1.9
  Bottom w0.254: v1(125.6,158.62) 126.17,159.19 R49.1 125.73,161.35 125.73,164.02 R50.2
Net-(10J1D--): length 47.3
  Top w0.254: 10J1.8 129.03,160.59 v1(129.03,158.5)
  Bottom w0.254: R17.1 126.05,120.2 127.13,121.29 128.65,121.29 129.79,122.43 129.79,124.59 131.32,126.11 132.59,126.11 133.1,126.62 133.1,130.68 131.83,131.95 131.83,141.48 130.23,143.08 130.23,147.27 129.67,147.83 129.67,157.86 v1(129.03,158.5)
Net-(11E1-12V): length 20
  Top w0.508: v1(75.69,171.2) 74.93,170.43 11E1.12
  Bottom w0.508: C8.1 78.87,173.48 78.61,173.74 77.98,173.74 77.34,174.37 C9.1 77.15,174.33 77.15,171.58 ; C8.1 77.15,171.58 ; C8.1 78.87,170.44 77.15,168.72 R1B1.2 77.15,171.58 77.15,171.58
  Bottom w0.762: v1(75.69,171.2) 76.77,171.2 77.15,171.58
Net-(11E1-DI+): length 98.2
  Top w0.254: 11E1.8 61.85,171.7 v1(61.09,172.47) ; TP6.1 4.7,127.64 5.46,126.87 6A1.19
  Bottom w0.254: 63.12,174.62 C10.1 63.37,174.11 61.72,172.47 v1(61.09,172.47) 60.2,172.47 59.18,171.45 59.18,163.97 ; R21.1 4.64,132.4 TP6.1 4.7,132.59 7.17,135.06 30.28,135.06 arc(40.97,137.18) 50.04,143.24 51,144.2 arc(57.06,153.26) 59.18,163.96
Net-(11E1-DI-): length 101.5
  Top w0.254: TP5.1 4.45,125.6 6A1.20 ; v1(59.18,173.74) 61.47,173.74 62.23,172.97 11E1.7
  Bottom w0.254: 58.67,164.23 58.67,172.85 59.18,173.36 v1(59.18,173.74) 59.82,174.37 C10.2 ; TP5.1 1.4,128.65 1.4,130.56 5.21,135.69 30.15,135.69 arc(40.85,137.82) 49.91,143.87 50.49,144.45 arc(56.55,153.52) 58.67,164.21
Net-(11E1-DO+): length 43
  Top w0.254: 11E1.10 62.74,169.16 v1(61.47,167.89)
  Bottom w0.254: 52.18,142.47 50.29,140.59 50.29,133.22 49.28,132.21 49.05,132.21 48.85,132.41 C11.1 ; v1(61.47,167.89) 60.85,167.28 60.85,163.39 arc(58.6,152.08) 52.2,142.49
Net-(11E1-DO-): length 40.3
  Top w0.254: v1(61.09,169.93) 61.6,170.43 11E1.9
  Bottom w0.254: C12.1 49.66,136.7 49.66,140.97 51.99,143.3 ; v1(61.09,169.93) 60.28,169.12 60.28,163.19 arc(58.14,152.47) 52.07,143.38
Net-(11E1-GAIN+): length 6.7
  Top w0.254: 11E1.6 62.48,174.24 61.21,175.51 61.21,177.37 v1(61.26,177.42)
  Bottom w0.254: v1(61.26,177.42) C7.1
Net-(11E1-GAIN-): length 5.5
  Top w0.254: v1(65.15,176.78) 65.15,176.4 64.26,175.51 11E1.5
  Bottom w0.508: C7.2 64.21,177.72 v1(65.15,176.78)
Net-(11E1-HD1+): length 24.9
  Top w0.254: 11E1.14 75.95,172.97 90.3,181.1 90.3,184.53 J6.4
Net-(11E1-HD1-): length 27.2
  Top w0.254: 11E1.13 74.8,171.7 92.84,181.86 92.84,184.28 94.11,185.55 J6.2
Net-(11E1-HD2+): length 19.3
  Top w0.254: J6.8 85.22,184.53 85.22,180.98 75.82,175.51 11E1.16
Net-(11E1-HD2-): length 21.6
  Top w0.254: 11E1.15 75.06,174.24 87.76,181.86 87.76,184.02 89.03,185.29 J6.6
Net-(11E1-HD3+): length 13.6
  Top w0.254: J6.12 80.14,184.53 80.14,181.1 75.82,178.05 11E1.18
Net-(11E1-HD3-): length 15.9
  Top w0.254: J6.10 83.95,185.29 82.68,184.02 82.68,181.99 75.31,176.78 11E1.17
Net-(11E1-HD4+): length 7.6
  Top w0.254: 11E1.20 74.29,180.59 75.06,181.36 75.06,184.53 J6.16
Net-(11E1-HD4-): length 10
  Top w0.254: J6.14 78.23,185.17 78.23,184.53 77.6,183.9 77.6,182.5 76.71,181.61 76.33,181.61 74.04,179.32 11E1.19
Net-(11E1-HD6+): length 6.3
  Top w0.254: 11E1.1 64.9,182.07 64.9,184.53 J6.24
Net-(11E1-HD6-): length 9.2
  Top w0.254: 11E1.2 64.26,179.32 67.44,182.5 67.44,183.9 68.71,185.17 J6.22
Net-(C6-Pad1): length 9.9
  Top w0.254: v1(85.85,175.01) 85.85,172.21 85.47,171.83 C6.1 85.47,170.43 83.82,168.78 R78.1
  Bottom w0.254: R11.2 85.85,172.53 v1(85.85,175.01)
Net-(C11-Pad2): length 4.1
  Bottom w0.762: C11.2 46.1,131.62 46.1,128.08 R22.2
Net-(C12-Pad2): length 5.2
  Bottom w0.254: R23.2 42.23,132.97 42.67,132.97 45.59,135.89 C12.2
Net-(C13-Pad1): length 6.2
  Bottom w0.254: C13.1 34.8,129.09 34.8,127.18 L6.1
  Bottom w0.762: L6.1 35.61,126.37 37.41,126.37 L4.2
Net-(C13-Pad2): length 8.9
  Bottom w0.254: L7.1 34.98,132.77 32.2,129.99 C13.2
  Bottom w0.762: L5.2 37.67,129.76 34.98,132.45 L7.1
Net-(C20-Pad1): length 3.5
  Bottom w0.254: C20.1 22.48,122.94 23.31,123.76 R25.2
Net-(C20-Pad2): length 4.6
  Bottom w0.254: L8.2 20.14,120.32 18.92,121.54 19.12,121.54 C20.2
Net-(C21-Pad2): length 8.7
  Bottom w0.254: 19.12,129.54 20.39,130.81 22.48,130.81 23.43,131.76 R28.1 23.43,132.65 24,133.22 v1(25.78,133.22)
Net-(C24-Pad2): length 41.1
  Top w0.254: v1(20.57,117.48) 20.57,117.22 19.18,115.82 18.03,115.82 v1(11.94,121.92)
  Bottom w0.254: L10.2 12.78,120.32 11.94,121.16 v1(11.94,121.92) 13.08,123.06 C67.2 13.08,123.76 13.08,126.17 R31.2 13.21,126.68 13.21,128.97 C24.2 ; v1(20.57,117.48) 22.35,117.48 24.89,114.94 27.69,114.94 28.13,114.5 28.13,112.95 28.19,112.88 28.19,111.38 27.56,110.74 27.56,109.6 29.59,107.57 29.64,107.57
Net-(C27-Pad1): length 35.2
  Top w0.508: C27.1 112.39,127.45 v1(112.39,129.92) 112.52,129.79
  Bottom w0.254: v1(112.39,129.92) 112.39,127.38 114.43,125.35 114.43,118.24 113.16,116.97 108.58,116.97 107.44,118.11 107.44,121.03 107.19,121.29 104.52,121.29 102.87,119.63 R69.1
Net-(C39-Pad2): length 14.7
  Top w0.254: C39.2 107.76,79.25 v1(104.27,79.25)
  Bottom w0.254: v1(104.27,79.25) 103,77.98 103,73.28 103.57,72.71 R43.2
Net-(C41-Pad2): length 3.9
  Bottom w0.254: C41.2 111.82,119.13 109.66,121.29
Net-(C59-Pad2): length 8.8
  Top w0.254: C59.2 108.71,56.9 107.95,56.13 v1(103.89,56.13)
  Bottom w0.508: v1(103.89,56.13) 103.57,56.45 R47.2
Net-(C69-Pad2): length 9.5
  Top w0.254: C69.2 108.9,67.82 104.65,67.82 v1(104.39,67.56)
  Bottom w0.508: R48.2 103.57,66.74 v1(104.39,67.56)
Net-(CR2-A): length 17.5
  Top w0.254: C51.1 86.49,18.03 86.36,18.16 83.06,18.16 82.55,17.65 CR2.2 80.65,17.65 80.01,18.29 77.36,18.29 76.96,17.89 76.96,15.62 76.58,15.24 v1(74.04,15.24)
  Bottom w0.254: R64.1 75.44,15.62 74.93,15.11 74.17,15.11 v1(74.04,15.24)
Net-(CR5-K): length 4.3
  Top w0.254: CR5.3 85.15,114.17 R54.2
Net-(D1-K): length 6.9
  Top w0.508: D1.3 93.49,117.84 v1(92.84,118.49)
  Bottom w0.254: R69.2 96.84,119.13 93.47,119.13 v1(92.84,118.49)
Net-(DS1-K): length 54
  Top w0.254: DS1.1 110.62,194.31 v1(111.25,194.95)
  Bottom w0.254: 89.03,172.97 88.71,172.66 R11.1 91.57,172.47 92.71,173.61 92.71,178.05 93.47,178.82 94.36,178.82 96.39,180.85 96.39,190.63 96.9,191.14 96.9,194.69 97.28,195.07 101.73,195.07 104.52,192.28 106.43,192.28 107.44,193.29 107.44,194.56 107.82,194.95 v1(111.25,194.95) ; DS1.1 111.12,187.71
Net-(J3-Pin_4): length 7.2
  Bottom w2.286: 116.84,5.33 116.84,12.18 L1.1
Net-(J5-Pin_1): length 19.5
  Bottom w0.254: R68.2 125.09,191.39 122.55,188.85 122.55,180.21 121.03,178.69 121.03,176.89 119.76,175.62 J5.1
Net-(J5-Pin_3): length 14.3
  Bottom w0.254: R68B1.2 124.97,187.07 123.32,185.42 123.32,178.82 123.57,178.56 123.57,176.91 122.3,175.64 J5.3
Net-(J5-Pin_5): length 38.7
  Bottom w0.254: R67.2 115.7,193.42 117.22,194.95 126.87,194.95 127.76,194.06 127.76,185.17 127.13,184.53 124.33,184.53 123.95,184.15 123.95,179.58 124.46,179.07 125.48,179.07 126.11,178.44 126.11,176.57 124.84,175.3 J5.5
Net-(J5-Pin_7): length 21.1
  Top w0.254: J5.7 126.11,176.15 119,176.15 118.11,177.04 116.2,177.04 112.52,180.72 v1(112.39,180.72)
  Bottom w0.254: R81.2 109.98,182.63 111.89,180.72 v1(112.39,180.72)
Net-(J5-Pin_9): length 12.2
  Top w0.254: J5.9 131.19,176.15 131.19,178.56 128.27,181.48 v1(128.27,182.63)
  Bottom w0.254: v1(128.27,182.63) 126.62,182.63 R67B1.2
Net-(J6-Pin_18): length 15.3
  Top w0.254: J6.18 73.79,185.17 72.52,183.9 72.52,182.5 67.69,177.67 64.77,177.67 63.88,176.78 11E1.4
Net-(J6-Pin_20): length 12.6
  Top w0.254: J6.20 69.98,184.53 69.98,181.86 66.8,178.69 64.77,178.69 64.13,178.05 11E1.3
Net-(J7-Pin_1): length 44
  Top w0.254: v1(64.39,18.8) 65.02,18.16 1D1.13 65.02,15.88 64.01,14.86 58.17,14.86 57.02,16 57.02,16.38 54.99,18.42 44.7,18.42 J7.7
  Top w0.762: J7.1 J7.7
  Bottom w0.254: R7.1 60.51,16.95 61.6,18.03 63.63,18.03 v1(64.39,18.8) 63.37,19.81 63.37,21.4 R6.2
Net-(JP2-B): length 8.6
  Top w0.254: 2E1.4 74.55,34.42 v1(74.42,34.54)
  Bottom w0.254: 76.96,36.96 74.55,34.54 v1(74.42,34.54) 75.18,33.79 R5.1
Net-(L4-Pad1): length 4.3
  Bottom w0.762: R22.1 43.37,126.17 43.31,126.11 L4.1
Net-(L5-Pad1): length 4.2
  Bottom w0.762: R23.1 39.05,131.64 40.82,129.87 L5.1
Net-(L9-Pad1): length 2.9
  Bottom w0.254: R29.2 23.94,107.57 L9.1
Net-(Q1-B): length 36.8
  Top w0.254: v1(128.52,130.56) 128.52,130.77 Q1.1
  Bottom w0.254: v1(128.52,130.56) 128.52,130.43 129.79,129.16 129.79,126.62 129.03,125.86 129.03,125.73 R61.2 127.63,124.59 126.62,125.6 123.95,125.6 123.19,124.84 123.19,121.03 122.3,120.14 119.51,120.14 117.6,122.05 117.6,125.22 118.36,125.98 120.78,125.98 121.86,127.07 R79.1 121.86,128.34 122.05,128.52
Net-(Q1-C): length 19.1
  Top w0.254: Q2.1 132.21,137.43 132.21,134.37 131.83,133.99 Q1.3 127.63,132.83 127.63,130.3 128.4,129.54 129.16,129.54 v1(130.56,130.94)
  Bottom w0.254: R62.1 131.51,129.98 v1(130.56,130.94)
Net-(Q3-B): length 32.8
  Top w0.254: v1(112.52,110.24) 112.65,110.36 112.65,115.82 112.39,116.08 110.87,116.08 109.47,117.48 109.47,123.47 Q3.1
  Bottom w0.254: v1(112.52,110.24) 115.82,110.24 119.13,113.54 123.44,113.54 124.59,112.4 126.17,112.4 R75.2
Net-(Q4-B): length 5.8
  Top w0.254: Q4.1 130.43,110.1 v1(130.43,109.22)
  Bottom w0.254: v1(130.43,109.22) 130.43,109.03 R76.1
Net-(Q4-C): length 7.3
  Top w0.254: v1(124.71,111.12) 125.09,111.51 125.6,111.51 126.62,112.52 Q4.3
  Bottom w0.254: R74.2 121.6,111.12 v1(124.71,111.12)
Net-(Q5-G): length 10.4
  Bottom w0.254: 106.17,119.63 106.17,116.84 104.33,115 R66.2 104.65,114.37 104.65,112.65 105.67,111.63 Q5.1
Net-(TP8-A): length 66.4
  Bottom w0.254: R1.2 71.25,160.97 71.25,163.58 69.6,165.23 66.93,165.23 66.8,165.35 66.8,165.61 ; TP8.1 v1(48.39,138.43) 47.5,138.83 47.5,140.08 arc(57.6,152.89) 59.69,163.4 59.69,170.43 60.58,171.32 61.98,171.32 65.02,168.28 66.17,168.28 66.8,167.64 66.8,161.8 65.59,160.59 65.59,158.3 64.45,157.16 R3.1

## Copper pours and planes (outline as drawn; the poured copper is in the pictures)
+5V on Top: 126.49,38.99 126.49,36.45 128.91,36.45 128.91,38.99
+5V on Top: 120.14,21.34 123.19,21.34 130.56,13.97 132.08,13.97 132.08,15.75 124.08,23.75 123.19,23.75 122.05,24.89 120.65,24.89 120.14,24.38
+5V on Top: 120.14,24.38 120.14,31.5 126.49,37.85 126.49,38.99 128.91,38.99 128.91,36.45 128.14,36.45 126.36,34.67 126.36,31.75 126.24,31.62 124.71,31.62 122.43,29.34 122.43,23.88 120.65,23.88
+5V on Bottom: 22.73,98.81 25.02,98.81 25.91,97.92 25.91,94.74 25.78,94.62 17.02,94.62 14.22,97.41 14.22,98.55 16.51,96.27 22.73,96.27
+5V on Bottom: 25.27,14.35 25.27,25.91 26.03,25.91 29.72,22.23 29.72,14.35
+5V on Bottom: 78.23,55.63 87.63,55.63 98.55,44.7 98.55,35.94 100.84,35.94 100.84,45.72 86.23,60.33 85.34,60.33 85.34,59.82 82.04,56.52 78.23,56.52
+5V on Bottom: 126.49,36.58 129.16,36.58 129.16,39.12 126.49,39.12
+5V on Bottom: 40.77,111.89 40.77,108.97 42.42,107.32 45.21,107.32 45.72,106.81 45.72,100.58 46.23,100.08 46.86,100.08 48.9,102.11 48.9,106.93 46.48,109.35 44.7,109.35 44.58,109.47 44.58,111.12 43.82,111.89
+5V on Bottom: 122.68,23.75 122.68,21.08 105.66,21.08 104.9,20.32 104.9,16.89 104.27,16.26 103,16.26 102.36,16.89 102.36,24.89 101.35,25.91 101.35,30.86 98.55,33.66 98.55,35.94 100.84,35.94 100.84,34.04 111.12,23.75
+12V on Top: 87.5,104.78 89.28,104.78 89.28,97.79 89.03,97.54 87.76,97.54 87.38,97.92 87.38,104.65
+12V on Top: 123.95,26.92 123.95,25.15 129.03,20.07 132.21,20.07 132.21,22.48 129.67,22.48 129.41,22.73 129.41,26.29 125.22,26.29 124.59,26.92
+12V on Top: 32.64,89.79 44.32,89.79 51.31,96.77 59.18,96.77 61.09,98.68 68.07,98.68 68.07,96.65 67.94,96.52 62.61,96.52 60.32,94.23 52.2,94.23 44.96,87 31.62,87 31.62,88.77 32.26,89.41
+12V on Top: 83.69,110.49 83.69,111.12 82.68,112.14 79.12,112.14 79.12,111.76 80.39,110.49
+12V on Bottom: 67.82,98.81 68.45,99.44 78.23,99.44 78.74,98.93 83.95,98.93 84.46,99.44 85.72,99.44 85.72,97.16 84.46,97.16 83.82,96.52 67.82,96.52
GND on Top: 9.4,115.57 11.43,115.57 12.32,116.46 12.32,117.35 14.6,117.35 14.6,118.36 12.45,120.52 11.81,120.52 10.8,121.54 10.8,124.97 12.95,124.97 12.95,128.14 11.81,128.14 11.68,128.02 11.68,127.13 10.16,125.6 10.16,118.36 10.67,117.86 10.67,116.71 10.03,116.08 9.4,116.08
GND on Top: 107.95,122.56 105.16,122.56 103,120.4 98.17,120.4 97.66,120.9 96.01,120.9 94.74,122.17 92.58,122.17 91.69,121.29 89.92,121.29 88.77,122.43 88.77,123.44 88.26,123.95 88.14,123.95 88.14,125.1 87.12,126.11 87.12,130.05 87.63,130.56 88.77,130.56 90.68,132.46 91.19,132.46 91.19,130.3 95.12,130.3 95.5,129.92 104.65,129.92 105.16,129.41 105.16,128.27 103.5,128.27 102.87,128.91 96.27,128.91 96.01,128.65 95.63,128.65 94.74,129.54 91.19,129.54 91.19,128.65 89.92,128.65 89.28,128.02 89.28,125.98 88.77,125.48 88.77,124.33 89.66,123.44 89.92,123.44 89.92,122.56 90.42,122.05 91.69,122.05 93.6,123.95 95.63,123.95 96.9,122.68 97.28,122.68 98.93,121.03 99.69,121.03 100.71,122.05 103.38,122.05 104.65,123.32 107.95,123.32
GND on Top: 70.87,22.99 70.87,20.57 70.23,19.94 69.85,19.94 69.72,19.81 69.72,19.43 69.34,19.05 67.18,19.05 66.93,19.3 66.93,19.69 67.31,20.07 68.2,20.07 69.09,20.96 69.09,22.61 69.47,22.99
GND on Top: 2.41,7.62 2.41,37.85 2.16,38.1 0.63,38.1 0.63,51.82 3.43,54.61 3.43,63.75 4.95,65.28 4.95,87.12 3.68,88.39 3.68,97.79 2.67,98.81 0.13,98.81 0.13,133.1 2.16,133.1 3.68,134.62 3.68,136.14 31.88,136.14 38.48,137.16 43.82,139.19 48.39,142.24 52.71,146.3 56.77,153.16 59.05,159.51 59.05,167.89 57.28,181.61 55.24,197.61 55.5,197.87 134.49,197.87 136.27,196.09 136.27,180.34 133.48,177.55 133.48,168.4 131.7,166.62 131.7,145.29 133.22,143.76 133.22,133.86 134.49,132.59 136.02,132.59 136.02,101.85 132.72,98.55 132.72,87.88 131.19,86.36 131.19,64.77 132.72,63.25 132.72,54.86 134.24,53.34 135.51,53.34 135.76,53.09 135.76,1.27 135.25,0.76 113.92,0.76 113.41,1.27 113.41,9.91 111.63,11.68 106.3,11.68 102.49,7.87 62.1,7.87 59.56,10.41 29.59,10.41 28.07,11.94 21.21,11.94 16.89,7.62
GND on Top: 104.52,7.87 100.71,7.87 100.71,10.16 101.09,10.54 101.09,12.32 98.17,12.32 98.17,7.87 62.74,7.87 62.74,9.14 71.25,9.14 71.88,9.78 73.66,9.78 74.93,11.05 76.07,11.05 77.34,9.78 86.49,9.78 87.12,10.41 89.03,10.41 90.81,12.19 96.39,12.19 97.16,12.95 104.52,12.95
GND on Top: 32.13,39.12 32.13,43.05 32.64,43.05 34.29,44.7 51.05,44.7 52.2,45.85 53.85,45.85 53.85,44.83 52.96,44.83 51.56,43.43 45.34,43.43 45.34,41.91 47.88,39.37 53.59,39.37 53.59,38.48 50.93,35.81 48.39,35.81 47.88,35.31 47.88,34.8 47.34,34.25 44.22,34.26 41.4,37.08 34.16,37.08
GND on Bottom: 101.98,10.41 105.54,10.41 106.55,11.43 111.38,11.43 113.16,9.65 113.16,1.27 136.02,1.27 136.02,53.09 134.24,53.09 132.72,54.61 132.72,63.25 130.94,65.02 130.94,86.11 132.72,87.88 132.72,98.3 135.76,101.35 135.76,108.71 109.35,108.71 109.09,108.46 109.09,90.17 110.62,88.65 110.62,68.58 109.85,67.82 109.85,43.94 101.85,35.94 100.84,35.94 100.84,11.56
GND on Bottom: 7.11,108.84 7.11,62.99 27.43,62.99 27.43,74.68 27.3,74.8 27.3,101.09 19.43,108.97 7.24,108.97
GND on Bottom: 68.71,99.95 88.9,99.95 94.62,94.23 97.16,94.23 97.41,94.49 97.41,94.74 96.01,96.14 96.01,98.68 97.16,99.82 97.16,100.84 97.03,100.97 94.62,100.97 92.84,99.19 90.68,99.19 87.38,102.49 81.66,102.49 80.01,104.14 80.01,109.09 79.88,109.22 77.72,109.22 76.71,110.24 76.71,114.17 76.58,114.3 71.12,108.84 71.12,103.12 68.71,100.71
GND on Bottom: 54.48,198.12 100.46,198.12 100.46,195.33 100.2,195.07 98.17,195.07 97.66,194.56 97.66,175.01 92.58,169.93 86.49,169.93 74.8,158.24 66.68,158.24 65.66,157.23 65.66,152.15 55.24,141.73 53.98,141.73 53.72,141.99 53.72,148.84 58.29,153.42 58.29,170.18 57.79,173.23
GND on Bottom: 63.25,84.46 73.41,84.46 73.41,87.63 68.58,90.42 68.07,90.42 63.25,87.38
GND on Bottom: 2.41,7.62 27.3,7.62 27.3,11.94 50.67,11.94 50.67,85.73 52.07,87.12 52.07,103.76 49.91,105.92 43.94,105.92 37.46,99.44 37.46,95.5 37.59,95.38 41.27,95.38 41.4,95.25 41.4,93.34 41.53,93.22 44.96,93.22 44.96,62.74 43.56,61.34 37.46,61.34 36.83,61.98 36.83,72.14 34.04,74.93 29.97,74.93 29.34,74.3 29.34,56.39 27.81,54.86 21.59,54.86 21.46,54.99 21.08,54.99 2.29,36.2 2.29,7.75
GND on Bottom: 122.68,120.4 118.49,120.4 118.49,126.37 120.14,126.37 120.14,129.54 116.97,129.54 116.33,130.18 116.33,134.37 115.82,134.87 113.92,134.87 113.16,135.64 113.16,137.67 113.66,138.18 123.57,138.18 123.95,138.56 123.95,146.81 124.33,147.19 124.33,151.64 125.86,153.16 125.86,164.72 129.03,164.72 129.29,164.47 129.29,143.38 130.94,141.73 130.94,131.7 129.79,131.7 129.79,131.06 129.54,131.06 127.63,132.97 123.95,132.97 120.9,129.92 120.9,122.68 122.68,122.68
GND on Bottom: 45.34,119.25 46.1,120.02 48.77,120.02 49.28,119.51 49.28,115.82 48.26,114.81 48.26,109.98 47.75,109.47 45.97,109.47 45.34,110.11
GND on Bottom: 31.24,112.78 34.42,112.78 36.7,115.06 44.96,115.06 44.96,119.63 45.85,120.52 49.78,120.52 49.78,141.22 49.66,141.35 47.75,141.35 44.32,137.92 40.89,137.92 38.86,135.89 30.48,135.89 26.8,132.21 26.8,126.62 24.77,124.59 24.77,121.54 27.94,118.36 31.24,118.36
GND on Bottom: 94.36,160.27 98.04,156.59 98.17,156.59 98.68,157.1 98.68,161.04 99.19,161.54 104.9,161.54 105.16,161.8 105.16,166.24 105.03,166.37 102.36,166.37 100.2,164.21 97.79,164.21 94.62,161.04 94.49,161.04 94.36,160.91
GND on Bottom: 87.25,128.02 87.25,106.93 88.39,106.93 88.77,107.32 88.77,109.35 89.03,109.6 90.42,109.6 91.57,110.74 91.57,115.7 91.69,115.82 94.23,115.82 97.16,112.9 100.33,112.9 100.33,117.35 89.66,128.02
GND on Bottom: 2.41,7.62 27.3,7.62 27.3,10.41 2.41,10.41
(no net) on Bottom: 55.75,110.24 55.75,66.04 68.45,53.34 74.8,53.34 76.84,55.37 76.84,57.53 82.55,63.25 82.55,75.31 81.15,76.71 81.15,84.46 74.55,91.06 64.39,91.06 61.6,93.85 61.6,100.58 60.07,102.11 60.07,106.43 56.26,110.24
+5F on Top: 108.46,191.39 108.46,186.56 109.98,185.04 113.92,185.04 115.57,183.39 116.97,183.39 117.09,183.26 117.09,177.93 120.4,177.93 120.4,183.13 118.87,184.66 116.2,184.66 114.3,186.56 114.3,188.85 112.52,188.85 112.52,186.94 112.14,186.56 110.11,186.56 109.47,187.2 109.47,191.39
+5F on Top: 93.34,175.77 94.62,175.77 95.38,176.53 95.38,177.8 96.39,177.8 97.41,176.78 104.52,176.78 104.52,181.36 104.01,181.86 100.97,181.86 99.44,180.34 95.88,180.34 93.34,177.8
+5F on Top: 100.84,196.72 100.84,191.77 100.97,191.64 103.25,191.64 103.38,191.77 103.38,196.09 102.74,196.72
VAA on Top: 122.3,135.76 122.81,135.25 122.81,131.32 124.84,129.29 126.75,129.29 126.87,129.16 126.87,134.37 125.22,134.37 123.06,136.53 122.3,136.53
VAA on Bottom: 117.98,154.56 117.98,152.27 112.27,152.27 110.74,153.8 110.74,154.43 110.87,154.56
VAA on Bottom: 129.03,127 129.03,128.65 128.14,129.54 124.84,129.54 123.57,128.27 123.57,127.38 121.54,125.35 121.54,123.57 122.3,123.57 122.3,125.35 123.95,127
Net-(J3-Pin_1) on Bottom: 117.09,19.81 122.43,19.81 134.24,8 134.24,3.94 130.56,3.94 130.56,6.6 119.76,17.4 116.97,17.4 116.97,19.69

## Text on the board
Bottom: 20 | 34 | J2 | 2 | 8 | 7 | J3 | J4 | J7 | EC | 20629 | CONTROL | ASSY | J1 | J6 | J5 | 5 | 6 | 4 | 3 | 1 | SEAGATE TECHNOLOGY
User.Drawings: BODGE WIRE STRENGTHENS / SPINDLE MOTOR GROUND / SENSE CONNECTION | This work is licensed under a Creative Commons / Attribution-ShareAlike 4.0 International License. / See https://creativecommons.org/licenses/by-sa/4.0/. | ASSY 20629 / Reverse Engineered by Tube Time | ST-251 CONTROL
Top: 33 | 1 | 19 | J2 | J1 | J3 | J6 | 20630-001 | FAB | EC3206A | + | J7 | J5
